# Altium PCB PCB_TEST.PcbDoc (part 2 of 6) (continued)
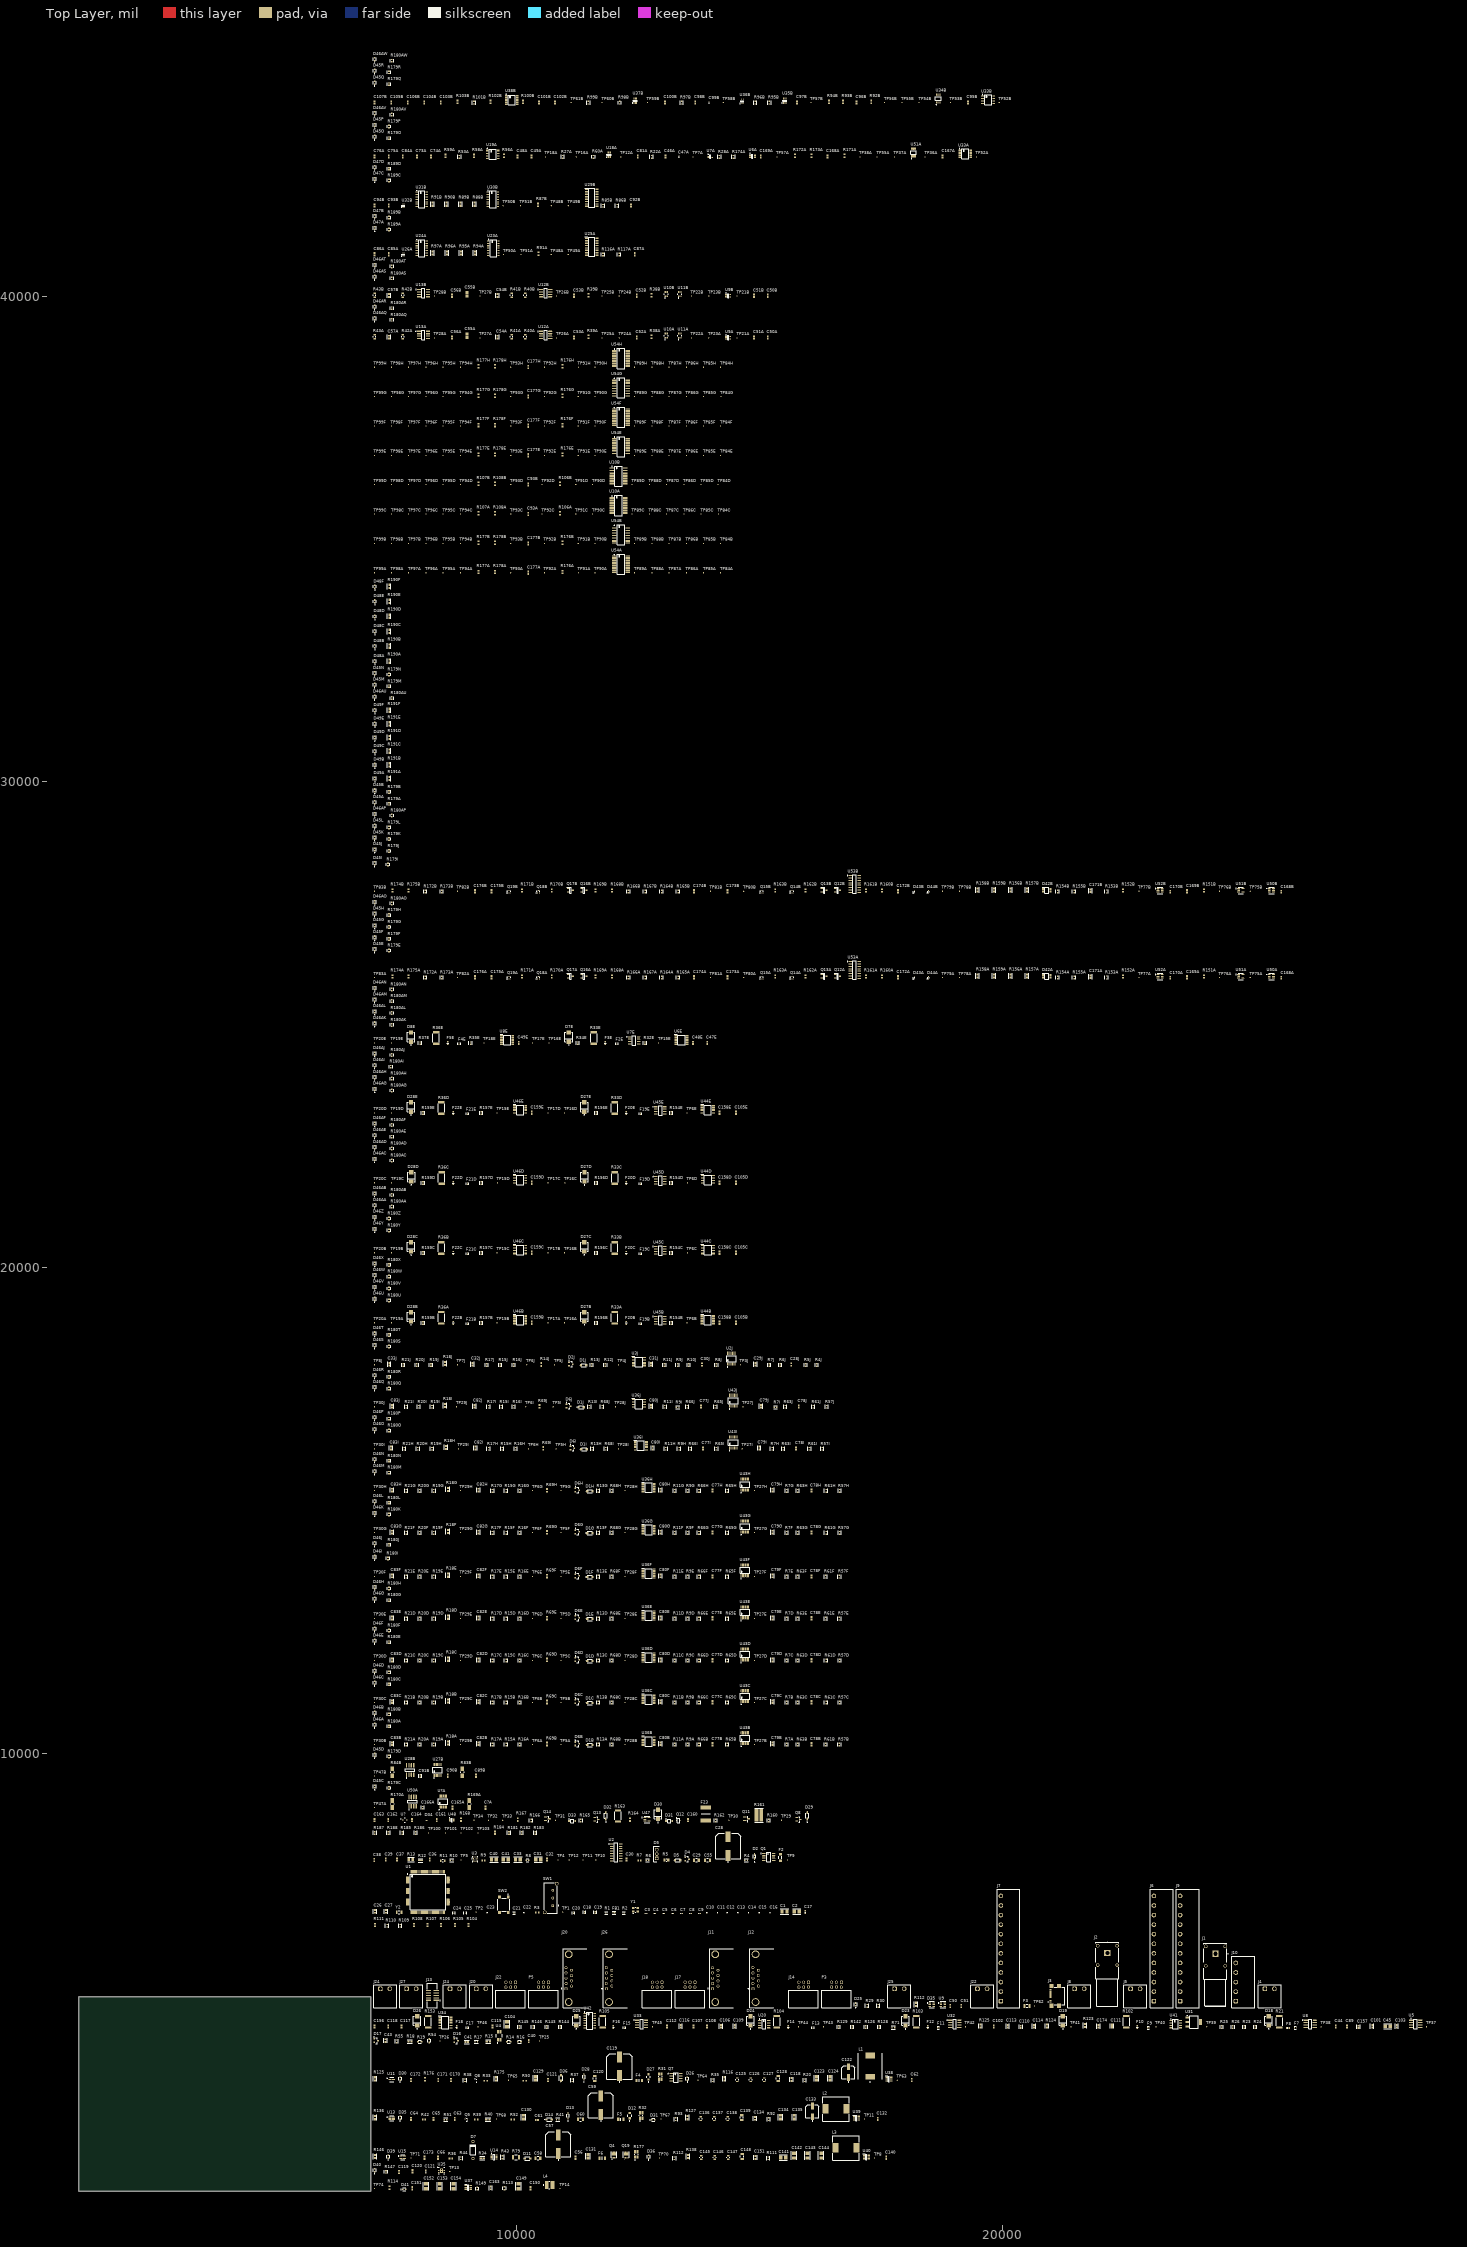
[diagram p0: Top Layer view]
## Components (designator, comment, footprint, x,y, rotation, side; value= is the part's Value field where it differs from the comment) (continued)
R6 "AC0603FR-7W100KL" FP-AC0603-IPC_C 12700,7805 r0 top value=100k (schematic designator R24)
R6J "RT0603BRD079K1L" FP-RT0603-IPC_C 15435,18000 r90 top value=9.1k (schematic designator R6)
R7 "Resistor 10k +/-1% 0603 100 mW" RESC1608X55X25ML10T15 12535,7805 r0 top value=10k (schematic designator R25)
R7A "RT0603BRE0710KL" FP-RT0603-IPC_C 15565,10190 r90 top value=10k (schematic designator R7)
R7B "RT0603BRE0710KL" FP-RT0603-IPC_C 15565,11055 r90 top value=10k (schematic designator R7)
R7C "RT0603BRE0710KL" FP-RT0603-IPC_C 15565,11920 r90 top value=10k (schematic designator R7)
R7D "RT0603BRE0710KL" FP-RT0603-IPC_C 15565,12780 r90 top value=10k (schematic designator R7)
R7E "RT0603BRE0710KL" FP-RT0603-IPC_C 15565,13645 r90 top value=10k (schematic designator R7)
R7F "RT0603BRE0710KL" FP-RT0603-IPC_C 15565,14545 r90 top value=10k (schematic designator R7)
R7G "RT0603BRE0710KL" FP-RT0603-IPC_C 15565,15410 r90 top value=10k (schematic designator R7)
R7H "RT0603BRE0710KL" FP-RT0603-IPC_C 15265,16275 r90 top value=10k (schematic designator R7)
R7I "RT0603BRE0710KL" FP-RT0603-IPC_C 15335,17130 r0 top value=10k (schematic designator R7)
R7J "RT0603BRE0710KL" FP-RT0603-IPC_C 15205,18000 r90 top value=10k (schematic designator R7)
R8 "CRCW060316K2FKEA" FP-CRCW0603-e3-IPC_C 10230,7805 r0 top value=16.2k (schematic designator R26)
R8J "RT0603BRD07180KL" FP-RT0603-IPC_C 14120,18000 r90 top value=180k (schematic designator R8)
R9 "Resistor 10k +/-1% 0603 100 mW" RESC1608X55X25ML10T15 9325,7805 r0 top value=10k (schematic designator R27)
R9A "RT0603BRE0710KL" FP-RT0603-IPC_C 13530,10190 r90 top value=10k (schematic designator R9)
R9B "RT0603BRE0710KL" FP-RT0603-IPC_C 13530,11055 r90 top value=10k (schematic designator R9)
R9C "RT0603BRE0710KL" FP-RT0603-IPC_C 13530,11920 r90 top value=10k (schematic designator R9)
R9D "RT0603BRE0710KL" FP-RT0603-IPC_C 13530,12780 r90 top value=10k (schematic designator R9)
R9E "RT0603BRE0710KL" FP-RT0603-IPC_C 13530,13645 r90 top value=10k (schematic designator R9)
R9F "RT0603BRE0710KL" FP-RT0603-IPC_C 13530,14545 r90 top value=10k (schematic designator R9)
R9G "RT0603BRE0710KL" FP-RT0603-IPC_C 13530,15410 r90 top value=10k (schematic designator R9)
R9H "RT0603BRE0710KL" FP-RT0603-IPC_C 13350,16275 r90 top value=10k (schematic designator R9)
R9I "RT0603BRE0710KL" FP-RT0603-IPC_C 13320,17130 r0 top value=10k (schematic designator R9)
R9J "RT0603BRE0710KL" FP-RT0603-IPC_C 13320,18000 r90 top value=10k (schematic designator R9)
R10 "AC0603FR-135K1L" FP-AC0603-IPC_C 8670,7805 r0 top value=5.1k (schematic designator R28)
R10J "RT0603BRD07180KL" FP-RT0603-IPC_C 13550,18000 r90 top value=180k (schematic designator R10)
R11 "RT0805BRD07150KL" FP-RT0805-MFG 8485,7800 r0 top value=150k (schematic designator R29)
R11A "RT0603BRE0710KL" FP-RT0603-IPC_C 13260,10190 r90 top value=10k (schematic designator R11)
R11B "RT0603BRE0710KL" FP-RT0603-IPC_C 13260,11055 r90 top value=10k (schematic designator R11)
R11C "RT0603BRE0710KL" FP-RT0603-IPC_C 13260,11920 r90 top value=10k (schematic designator R11)
R11D "RT0603BRE0710KL" FP-RT0603-IPC_C 13260,12780 r90 top value=10k (schematic designator R11)
R11E "RT0603BRE0710KL" FP-RT0603-IPC_C 13260,13645 r90 top value=10k (schematic designator R11)
R11F "RT0603BRE0710KL" FP-RT0603-IPC_C 13260,14545 r90 top value=10k (schematic designator R11)
R11G "RT0603BRE0710KL" FP-RT0603-IPC_C 13260,15410 r90 top value=10k (schematic designator R11)
R11H "RT0603BRE0710KL" FP-RT0603-IPC_C 13080,16275 r90 top value=10k (schematic designator R11)
R11I "RT0603BRE0710KL" FP-RT0603-IPC_C 13060,17140 r90 top value=10k (schematic designator R11)
R11J "RT0603BRE0710KL" FP-RT0603-IPC_C 13050,18000 r90 top value=10k (schematic designator R11)
R12 "RNCP0603FTD44K2" FP-RNCP0603-IPC_B 8030,7805 r0 top value=44.2k (schematic designator R30)
R12J "RT0603BRD0790K9L" FP-RT0603-IPC_C 11835,18000 r90 top value=90.9k (schematic designator R12)
R13 "RN73R2ATTD1002B25" FP-RN73R2A-IPC_A 7830,7820 r0 top value=10k (schematic designator R31)
R13A "RT0603BRE0710KL" FP-RT0603-IPC_C 11685,10190 r90 top value=10k (schematic designator R13)
R13B "RT0603BRE0710KL" FP-RT0603-IPC_C 11685,11055 r90 top value=10k (schematic designator R13)
R13C "RT0603BRE0710KL" FP-RT0603-IPC_C 11685,11920 r90 top value=10k (schematic designator R13)
R13D "RT0603BRE0710KL" FP-RT0603-IPC_C 11685,12780 r90 top value=10k (schematic designator R13)
R13E "RT0603BRE0710KL" FP-RT0603-IPC_C 11685,13645 r90 top value=10k (schematic designator R13)
R13F "RT0603BRE0710KL" FP-RT0603-IPC_C 11685,14545 r90 top value=10k (schematic designator R13)
R13G "RT0603BRE0710KL" FP-RT0603-IPC_C 11685,15410 r90 top value=10k (schematic designator R13)
R13H "RT0603BRE0710KL" FP-RT0603-IPC_C 11565,16275 r90 top value=10k (schematic designator R13)
R13I "RT0603BRE0710KL" FP-RT0603-IPC_C 11505,17140 r90 top value=10k (schematic designator R13)
R13J "RT0603BRE0710KL" FP-RT0603-IPC_C 11555,18000 r90 top value=10k (schematic designator R13)
R14 "CPF0603B100KE" FP-CPF0603-MFG 9845,4070 r0 top value=100k (schematic designator R53)
R14J "TNPW060339K2BEEA" RESC1609X55X30NL10T20 10515,18010 r90 top value=39.2k (schematic designator R14)
R15 "MCT0603MC1000FP500" FP-MCT0603-IPC_A 9425,4080 r0 top value=100 (schematic designator R55)
R15A "RT0603BRE0710KL" FP-RT0603-IPC_C 9790,10190 r90 top value=10k (schematic designator R15)
R15B "RT0603BRE0710KL" FP-RT0603-IPC_C 9790,11055 r90 top value=10k (schematic designator R15)
R15C "RT0603BRE0710KL" FP-RT0603-IPC_C 9790,11920 r90 top value=10k (schematic designator R15)
R15D "RT0603BRE0710KL" FP-RT0603-IPC_C 9790,12780 r90 top value=10k (schematic designator R15)
R15E "RT0603BRE0710KL" FP-RT0603-IPC_C 9790,13645 r90 top value=10k (schematic designator R15)
R15F "RT0603BRE0710KL" FP-RT0603-IPC_C 9790,14545 r90 top value=10k (schematic designator R15)
R15G "RT0603BRE0710KL" FP-RT0603-IPC_C 9790,15410 r90 top value=10k (schematic designator R15)
R15H "RT0603BRE0710KL" FP-RT0603-IPC_C 9710,16275 r90 top value=10k (schematic designator R15)
R15I "RT0603BRE0710KL" FP-RT0603-IPC_C 9690,17140 r90 top value=10k (schematic designator R15)
R15J "RT0603BRE0710KL" FP-RT0603-IPC_C 9670,18000 r90 top value=10k (schematic designator R15)
R16 "CPF0603B100KE" FP-CPF0603-MFG 10065,4070 r0 top value=100k (schematic designator R54)
R16A "RT0603BRD07200KL" FP-RT0603-IPC_C 10070,10190 r90 top value=200k (schematic designator R16)
R16B "RT0603BRD07200KL" FP-RT0603-IPC_C 10070,11055 r90 top value=200k (schematic designator R16)
R16C "RT0603BRD07200KL" FP-RT0603-IPC_C 10070,11920 r90 top value=200k (schematic designator R16)
R16D "RT0603BRD07200KL" FP-RT0603-IPC_C 10070,12780 r90 top value=200k (schematic designator R16)
R16E "RT0603BRD07200KL" FP-RT0603-IPC_C 10070,13645 r90 top value=200k (schematic designator R16)
R16F "RT0603BRD07200KL" FP-RT0603-IPC_C 10070,14545 r90 top value=200k (schematic designator R16)
R16G "RT0603BRD07200KL" FP-RT0603-IPC_C 10070,15410 r90 top value=200k (schematic designator R16)
R16H "RT0603BRD07200KL" FP-RT0603-IPC_C 9990,16275 r90 top value=200k (schematic designator R16)
R16I "RT0603BRD07200KL" FP-RT0603-IPC_C 9950,17140 r90 top value=200k (schematic designator R16)
R16J "RT0603BRD07200KL" FP-RT0603-IPC_C 9950,18000 r90 top value=200k (schematic designator R16)
R17 "RT0603BRD0711K8L" FP-RT0603-IPC_C 9175,4070 r0 top value=11.8k (schematic designator R56)
R17A "RT0603BRE0710KL" FP-RT0603-IPC_C 9510,10190 r90 top value=10k (schematic designator R17)
R17B "RT0603BRE0710KL" FP-RT0603-IPC_C 9510,11055 r90 top value=10k (schematic designator R17)
R17C "RT0603BRE0710KL" FP-RT0603-IPC_C 9510,11920 r90 top value=10k (schematic designator R17)
R17D "RT0603BRE0710KL" FP-RT0603-IPC_C 9510,12780 r90 top value=10k (schematic designator R17)
R17E "RT0603BRE0710KL" FP-RT0603-IPC_C 9510,13645 r90 top value=10k (schematic designator R17)
R17F "RT0603BRE0710KL" FP-RT0603-IPC_C 9510,14545 r90 top value=10k (schematic designator R17)
R17G "RT0603BRE0710KL" FP-RT0603-IPC_C 9510,15410 r90 top value=10k (schematic designator R17)
R17H "RT0603BRE0710KL" FP-RT0603-IPC_C 9430,16275 r90 top value=10k (schematic designator R17)
R17I "RT0603BRE0710KL" FP-RT0603-IPC_C 9430,17140 r90 top value=10k (schematic designator R17)
R17J "RT0603BRE0710KL" FP-RT0603-IPC_C 9390,18000 r90 top value=10k (schematic designator R17)
R18 "MCT0603MC1000FP500" FP-MCT0603-IPC_A 7810,4080 r0 top value=100 (schematic designator R59)
R18A "TNPW060324K0BEEA" FP-TNPW0603-e3-IPC_A 8590,10220 r90 top value=24k (schematic designator R18)
R18B "TNPW060324K0BEEA" FP-TNPW0603-e3-IPC_A 8590,11085 r90 top value=24k (schematic designator R18)
R18C "TNPW060324K0BEEA" FP-TNPW0603-e3-IPC_A 8590,11945 r90 top value=24k (schematic designator R18)
R18D "TNPW060324K0BEEA" FP-TNPW0603-e3-IPC_A 8590,12810 r90 top value=24k (schematic designator R18)
R18E "TNPW060324K0BEEA" FP-TNPW0603-e3-IPC_A 8590,13675 r90 top value=24k (schematic designator R18)
R18F "TNPW060324K0BEEA" FP-TNPW0603-e3-IPC_A 8590,14575 r90 top value=24k (schematic designator R18)
R18G "TNPW060324K0BEEA" FP-TNPW0603-e3-IPC_A 8590,15440 r90 top value=24k (schematic designator R18)
R18H "TNPW060324K0BEEA" FP-TNPW0603-e3-IPC_A 8550,16305 r90 top value=24k (schematic designator R18)
R18I "TNPW060324K0BEEA" FP-TNPW0603-e3-IPC_A 8530,17165 r90 top value=24k (schematic designator R18)
R18J "TNPW060324K0BEEA" FP-TNPW0603-e3-IPC_A 8530,18030 r90 top value=24k (schematic designator R18)
R19 "CPF0603B100KE" FP-CPF0603-MFG 8015,4070 r0 top value=100k (schematic designator R57)
R19A "RT0603BRE0710KL" FP-RT0603-IPC_C 8305,10190 r90 top value=10k (schematic designator R19)
R19B "RT0603BRE0710KL" FP-RT0603-IPC_C 8305,11055 r90 top value=10k (schematic designator R19)
R19C "RT0603BRE0710KL" FP-RT0603-IPC_C 8305,11920 r90 top value=10k (schematic designator R19)
R19D "RT0603BRE0710KL" FP-RT0603-IPC_C 8305,12780 r90 top value=10k (schematic designator R19)
R19E "RT0603BRE0710KL" FP-RT0603-IPC_C 8305,13645 r90 top value=10k (schematic designator R19)
R19F "RT0603BRE0710KL" FP-RT0603-IPC_C 8305,14545 r90 top value=10k (schematic designator R19)
R19G "RT0603BRE0710KL" FP-RT0603-IPC_C 8305,15410 r90 top value=10k (schematic designator R19)
R19H "RT0603BRE0710KL" FP-RT0603-IPC_C 8265,16275 r90 top value=10k (schematic designator R19)
R19I "RT0603BRE0710KL" FP-RT0603-IPC_C 8265,17140 r90 top value=10k (schematic designator R19)
R19J "RT0603BRE0710KL" FP-RT0603-IPC_C 8245,18000 r90 top value=10k (schematic designator R19)
R20 "AC0603FR-7W100KL" FP-AC0603-IPC_C 15935,3280 r90 top value=100k (schematic designator R115)
R20A "RT0603BRD07160KL" FP-RT0603-IPC_C 8015,10190 r90 top value=160k (schematic designator R20)
R20B "RT0603BRD07160KL" FP-RT0603-IPC_C 8015,11055 r90 top value=160k (schematic designator R20)
R20C "RT0603BRD07160KL" FP-RT0603-IPC_C 8015,11920 r90 top value=160k (schematic designator R20)
R20D "RT0603BRD07160KL" FP-RT0603-IPC_C 8015,12780 r90 top value=160k (schematic designator R20)
R20E "RT0603BRD07160KL" FP-RT0603-IPC_C 8015,13645 r90 top value=160k (schematic designator R20)
R20F "RT0603BRD07160KL" FP-RT0603-IPC_C 8015,14545 r90 top value=160k (schematic designator R20)
R20G "RT0603BRD07160KL" FP-RT0603-IPC_C 8015,15410 r90 top value=160k (schematic designator R20)
R20H "RT0603BRD07160KL" FP-RT0603-IPC_C 7975,16275 r90 top value=160k (schematic designator R20)
R20I "RT0603BRD07160KL" FP-RT0603-IPC_C 7995,17140 r90 top value=160k (schematic designator R20)
R20J "RT0603BRD07160KL" FP-RT0603-IPC_C 7955,18000 r90 top value=160k (schematic designator R20)
R21 "CRGCQ2512F10R" FP-CRGCQ2512-IPC_B 25705,4485 r90 top value=10 (schematic designator R61)
R21A "RT0603BRE0710KL" FP-RT0603-IPC_C 7735,10190 r90 top value=10k (schematic designator R21)
R21B "RT0603BRE0710KL" FP-RT0603-IPC_C 7735,11055 r90 top value=10k (schematic designator R21)
R21C "RT0603BRE0710KL" FP-RT0603-IPC_C 7735,11920 r90 top value=10k (schematic designator R21)
R21D "RT0603BRE0710KL" FP-RT0603-IPC_C 7735,12780 r90 top value=10k (schematic designator R21)
R21E "RT0603BRE0710KL" FP-RT0603-IPC_C 7735,13645 r90 top value=10k (schematic designator R21)
R21F "RT0603BRE0710KL" FP-RT0603-IPC_C 7735,14545 r90 top value=10k (schematic designator R21)
R21G "RT0603BRE0710KL" FP-RT0603-IPC_C 7735,15410 r90 top value=10k (schematic designator R21)
R21H "RT0603BRE0710KL" FP-RT0603-IPC_C 7695,16275 r90 top value=10k (schematic designator R21)
R21I "RT0603BRE0710KL" FP-RT0603-IPC_C 7735,17140 r90 top value=10k (schematic designator R21)
R21J "RT0603BRE0710KL" FP-RT0603-IPC_C 7675,18000 r90 top value=10k (schematic designator R21)
R22A "AC0603FR-0733RL" FP-AC0603-IPC_C 12785,42865 r90 top value=33 (schematic designator R97)
R23 "RT0603BRE0730KL" FP-RT0603-IPC_C 24980,4375 r90 top value=30k (schematic designator R62)
R24 "RT0603BRE0730KL" FP-RT0603-IPC_C 25210,4375 r90 top value=30k (schematic designator R63)
R25 "RT0603BRE0710KL" FP-RT0603-IPC_C 24520,4375 r90 top value=10k (schematic designator R64)
R26 "RT0603BRE0710KL" FP-RT0603-IPC_C 24750,4375 r90 top value=10k (schematic designator R65)
R27A "AC0603FR-0733RL" FP-AC0603-IPC_C 10955,42865 r90 top value=33 (schematic designator R99)
R28A "AC0603FR-0733RL" FP-AC0603-IPC_C 14180,42865 r90 top value=33 (schematic designator R96)
R29 "AC0603FR-135K1L" FP-AC0603-IPC_C 17220,4810 r90 top value=5.1k (schematic designator R113)
R30 "AC0603FR-135K1L" FP-AC0603-IPC_C 17450,4810 r90 top value=5.1k (schematic designator R114)
R31 "L4T12FR020DER" FP-L4T12-MFG 12965,3355 r90 top value=20m (schematic designator R118)
R32 "L4T12FR020DER" FP-L4T12-MFG 12570,2555 r90 top value=20m (schematic designator R129)
R32E "10k" FP-MCT0603-IPC_C 12650,24625 r90 top (schematic designator R32)
R33 "Resistor 10k +/-1% 0603 100 mW" RESC1608X55X25ML10T15 9370,3270 r0 top value=10k (schematic designator R121)
R33A "CRGCQ2512F10R" FP-CRGCQ2512-IPC_B 12025,18970 r90 top value=10 (schematic designator R33)
R33B "CRGCQ2512F10R" FP-CRGCQ2512-IPC_B 12025,20410 r90 top value=10 (schematic designator R33)
R33C "CRGCQ2512F10R" FP-CRGCQ2512-IPC_B 12030,21850 r90 top value=10 (schematic designator R33)
R33D "CRGCQ2512F10R" FP-CRGCQ2512-IPC_B 12025,23290 r90 top value=10 (schematic designator R33)
R33E "CRGCQ2512F10R" FP-CRGCQ2512-IPC_B 11595,24730 r90 top value=10 (schematic designator R33)
R34 "CRGCQ0603F150K" FP-CRGCQ0603-IPC_A 9300,1675 r0 top value=150k (schematic designator R143)
R34E "10k" FP-MCT0603-IPC_C 11265,24625 r90 top (schematic designator R34)
R35 "AC0603FR-073K48L" FP-AC0603-IPC_C 14045,3280 r90 top value=3.48k (schematic designator R117)
R35E "10k" FP-MCT0603-IPC_C 9060,24625 r90 top (schematic designator R35)
R36 "Resistor 10k +/-1% 0603 100 mW" RESC1608X55X25ML10T15 8655,1670 r0 top value=10k (schematic designator R145)
R36A "CRGCQ2512F10R" FP-CRGCQ2512-IPC_B 8460,18970 r90 top value=10 (schematic designator R36)
R36B "CRGCQ2512F10R" FP-CRGCQ2512-IPC_B 8460,20410 r90 top value=10 (schematic designator R36)
R36C "CRGCQ2512F10R" FP-CRGCQ2512-IPC_B 8465,21850 r90 top value=10 (schematic designator R36)
R36D "CRGCQ2512F10R" FP-CRGCQ2512-IPC_B 8460,23290 r90 top value=10 (schematic designator R36)
R36E "CRGCQ2512F10R" FP-CRGCQ2512-IPC_B 8350,24730 r90 top value=10 (schematic designator R36)
R37 "AC0603FR-7W100KL" FP-AC0603-IPC_C 11150,3280 r90 top value=100k (schematic designator R119)
R37E "10k" FP-MCT0603-IPC_C 8020,24625 r90 top (schematic designator R37)
R38 "AC0603FR-7W100KL" FP-AC0603-IPC_C 8945,3280 r90 top value=100k (schematic designator R123)
R38A "Resistor 10k +/-1% 0603 100 mW" RESC1608X55X25ML10T15 12780,39160 r90 top value=10k (schematic designator R38)
R38B "Resistor 10k +/-1% 0603 100 mW" RESC1608X55X25ML10T15 12780,40015 r90 top value=10k (schematic designator R38)
R39 "Resistor 10k +/-1% 0603 100 mW" RESC1608X55X25ML10T15 9175,2470 r0 top value=10k (schematic designator R132)
R39A "Resistor 10k +/-1% 0603 100 mW" RESC1608X55X25ML10T15 11490,39160 r90 top value=10k (schematic designator R39)
R39B "Resistor 10k +/-1% 0603 100 mW" RESC1608X55X25ML10T15 11490,40015 r90 top value=10k (schematic designator R39)
R40 "CRGCQ0603F150K" FP-CRGCQ0603-IPC_A 9415,2475 r0 top value=150k (schematic designator R133)
R40A "RT0805BRD0710KL" FP-RT0805-MFG 10185,39160 r90 top value=10k (schematic designator R40)
R40B "RT0805BRD0710KL" FP-RT0805-MFG 10185,40015 r90 top value=10k (schematic designator R40)
R41 "AC0603FR-7W100KL" FP-AC0603-IPC_C 10855,2470 r0 top value=100k (schematic designator R130)
R41A "RT0805BRD0710KL" FP-RT0805-MFG 9905,39160 r90 top value=10k (schematic designator R41)
R41B "RT0805BRD0710KL" FP-RT0805-MFG 9905,40015 r90 top value=10k (schematic designator R41)
R42 "Resistor 10k +/-1% 0603 100 mW" RESC1608X55X25ML10T15 8100,2470 r0 top value=10k (schematic designator R135)
R42A "RT0805BRD0710KL" FP-RT0805-MFG 7665,39160 r90 top value=10k (schematic designator R42)
R42B "RT0805BRD0710KL" FP-RT0805-MFG 7665,40015 r90 top value=10k (schematic designator R42)
R43 "RN73R1JTTD1004B25" FP-RN73R1J-IPC_B 9715,1695 r90 top value=1M (schematic designator R142)
R43A "RT0805BRD071K5L" FP-RT0805-MFG 7085,39160 r90 top value=1.5k (schematic designator R43)
R43B "RT0805BRD071K5L" FP-RT0805-MFG 7085,40015 r90 top value=1.5k (schematic designator R43)
R44 "RT0603BRE07100KL" FP-RT0603-IPC_C 8860,1675 r90 top value=100k (schematic designator R144)
R50 "Resistor 10k +/-1% 0603 100 mW" RESC1608X55X25ML10T15 10175,3270 r0 top value=10k (schematic designator R120)
R51 "AC0603FR-7W100KL" FP-AC0603-IPC_C 8545,2470 r0 top value=100k (schematic designator R134)
R52 "Resistor 10k +/-1% 0603 100 mW" RESC1608X55X25ML10T15 9930,2470 r0 top value=10k (schematic designator R131)
R53A "AC0603FR-10100RL" FP-AC0603-IPC_C 8830,42865 r90 top value=100 (schematic designator R101)
R54 "CPF0603B100KE" FP-CPF0603-MFG 8210,4095 r90 top value=100k (schematic designator R58)
R55 "RT0603BRD0711K8L" FP-RT0603-IPC_C 7540,4080 r90 top value=11.8k (schematic designator R60)
R56A "Resistor 10k +/-1% 0603 100 mW" RESC1608X55X25ML10T15 9745,42885 r90 top value=10k (schematic designator R100)
R57B "RT0603BRE07300KL" FP-RT0603-IPC_C 16650,10190 r90 top value=300k (schematic designator R4)
R57C "RT0603BRE07300KL" FP-RT0603-IPC_C 16655,11055 r90 top value=300k (schematic designator R4)
R57D "RT0603BRE07300KL" FP-RT0603-IPC_C 16655,11920 r90 top value=300k (schematic designator R4)
R57E "RT0603BRE07300KL" FP-RT0603-IPC_C 16650,12780 r90 top value=300k (schematic designator R4)
R57F "RT0603BRE07300KL" FP-RT0603-IPC_C 16650,13645 r90 top value=300k (schematic designator R4)
R57G "RT0603BRE07300KL" FP-RT0603-IPC_C 16655,14545 r90 top value=300k (schematic designator R4)
R57H "RT0603BRE07300KL" FP-RT0603-IPC_C 16655,15410 r90 top value=300k (schematic designator R4)
R57I "RT0603BRE07300KL" FP-RT0603-IPC_C 16295,16275 r90 top value=300k (schematic designator R4)
R57J "RT0603BRE07300KL" FP-RT0603-IPC_C 16390,17140 r90 top value=300k (schematic designator R4)
R58A "Resistor 22R +/-1% 0603 100 mW" RESC1609X50X30ML08T20 9125,42885 r90 top value=22 (schematic designator R102)
R59A "Resistor 22R +/-1% 0603 100 mW" RESC1609X50X30ML08T20 8545,42885 r90 top value=22 (schematic designator R103)
R60A "RMCF0603JG330R" FP-RMCF0603-MFG 11590,42865 r90 top value=330 (schematic designator R98)
R61B "RT0603BRD07240KL" FP-RT0603-IPC_C 16370,10190 r90 top value=240k (schematic designator R5)
R61C "RT0603BRD07240KL" FP-RT0603-IPC_C 16375,11055 r90 top value=240k (schematic designator R5)
R61D "RT0603BRD07240KL" FP-RT0603-IPC_C 16375,11920 r90 top value=240k (schematic designator R5)
R61E "RT0603BRD07240KL" FP-RT0603-IPC_C 16370,12780 r90 top value=240k (schematic designator R5)
R61F "RT0603BRD07240KL" FP-RT0603-IPC_C 16370,13645 r90 top value=240k (schematic designator R5)
R61G "RT0603BRD07240KL" FP-RT0603-IPC_C 16375,14545 r90 top value=240k (schematic designator R5)
R61H "RT0603BRD07240KL" FP-RT0603-IPC_C 16375,15410 r90 top value=240k (schematic designator R5)
R61I "RT0603BRD07240KL" FP-RT0603-IPC_C 16035,16275 r90 top value=240k (schematic designator R5)
R61J "RT0603BRD07240KL" FP-RT0603-IPC_C 16110,17140 r90 top value=240k (schematic designator R5)
R63B "RT0603BRD079K1L" FP-RT0603-IPC_C 15795,10190 r90 top value=9.1k (schematic designator R6)
R63C "RT0603BRD079K1L" FP-RT0603-IPC_C 15795,11055 r90 top value=9.1k (schematic designator R6)
R63D "RT0603BRD079K1L" FP-RT0603-IPC_C 15795,11920 r90 top value=9.1k (schematic designator R6)
R63E "RT0603BRD079K1L" FP-RT0603-IPC_C 15795,12780 r90 top value=9.1k (schematic designator R6)
R63F "RT0603BRD079K1L" FP-RT0603-IPC_C 15795,13645 r90 top value=9.1k (schematic designator R6)
R63G "RT0603BRD079K1L" FP-RT0603-IPC_C 15795,14545 r90 top value=9.1k (schematic designator R6)
R63H "RT0603BRD079K1L" FP-RT0603-IPC_C 15795,15410 r90 top value=9.1k (schematic designator R6)
R63I "RT0603BRD079K1L" FP-RT0603-IPC_C 15495,16275 r90 top value=9.1k (schematic designator R6)
R63J "RT0603BRD079K1L" FP-RT0603-IPC_C 15535,17140 r90 top value=9.1k (schematic designator R6)
R65B "RT0603BRD07180KL" FP-RT0603-IPC_C 14340,10190 r90 top value=180k (schematic designator R8)
R65C "RT0603BRD07180KL" FP-RT0603-IPC_C 14340,11055 r90 top value=180k (schematic designator R8)
R65D "RT0603BRD07180KL" FP-RT0603-IPC_C 14340,11920 r90 top value=180k (schematic designator R8)
R65E "RT0603BRD07180KL" FP-RT0603-IPC_C 14340,12780 r90 top value=180k (schematic designator R8)
R65F "RT0603BRD07180KL" FP-RT0603-IPC_C 14340,13645 r90 top value=180k (schematic designator R8)
R65G "RT0603BRD07180KL" FP-RT0603-IPC_C 14340,14545 r90 top value=180k (schematic designator R8)
R65H "RT0603BRD07180KL" FP-RT0603-IPC_C 14340,15410 r90 top value=180k (schematic designator R8)
R65I "RT0603BRD07180KL" FP-RT0603-IPC_C 14120,16275 r90 top value=180k (schematic designator R8)
R65J "RT0603BRD07180KL" FP-RT0603-IPC_C 14100,17140 r90 top value=180k (schematic designator R8)
R66B "RT0603BRD07180KL" FP-RT0603-IPC_C 13760,10190 r90 top value=180k (schematic designator R10)
R66C "RT0603BRD07180KL" FP-RT0603-IPC_C 13760,11055 r90 top value=180k (schematic designator R10)
R66D "RT0603BRD07180KL" FP-RT0603-IPC_C 13760,11920 r90 top value=180k (schematic designator R10)
R66E "RT0603BRD07180KL" FP-RT0603-IPC_C 13760,12780 r90 top value=180k (schematic designator R10)
R66F "RT0603BRD07180KL" FP-RT0603-IPC_C 13760,13645 r90 top value=180k (schematic designator R10)
R66G "RT0603BRD07180KL" FP-RT0603-IPC_C 13760,14545 r90 top value=180k (schematic designator R10)
R66H "RT0603BRD07180KL" FP-RT0603-IPC_C 13760,15410 r90 top value=180k (schematic designator R10)
R66I "RT0603BRD07180KL" FP-RT0603-IPC_C 13580,16275 r90 top value=180k (schematic designator R10)
R66J "RT0603BRD07180KL" FP-RT0603-IPC_C 13520,17140 r90 top value=180k (schematic designator R10)
R68B "RT0603BRD0790K9L" FP-RT0603-IPC_C 11965,10190 r90 top value=90.9k (schematic designator R12)
R68C "RT0603BRD0790K9L" FP-RT0603-IPC_C 11965,11055 r90 top value=90.9k (schematic designator R12)
R68D "RT0603BRD0790K9L" FP-RT0603-IPC_C 11965,11920 r90 top value=90.9k (schematic designator R12)
R68E "RT0603BRD0790K9L" FP-RT0603-IPC_C 11965,12780 r90 top value=90.9k (schematic designator R12)
R68F "RT0603BRD0790K9L" FP-RT0603-IPC_C 11965,13645 r90 top value=90.9k (schematic designator R12)
R68G "RT0603BRD0790K9L" FP-RT0603-IPC_C 11965,14545 r90 top value=90.9k (schematic designator R12)
R68H "RT0603BRD0790K9L" FP-RT0603-IPC_C 11965,15410 r90 top value=90.9k (schematic designator R12)
R68I "RT0603BRD0790K9L" FP-RT0603-IPC_C 11845,16275 r90 top value=90.9k (schematic designator R12)
R68J "RT0603BRD0790K9L" FP-RT0603-IPC_C 11765,17140 r90 top value=90.9k (schematic designator R12)
R69B "TNPW060339K2BEEA" RESC1609X55X30NL10T20 10635,10200 r90 top value=39.2k (schematic designator R14)
R69C "TNPW060339K2BEEA" RESC1609X55X30NL10T20 10635,11065 r90 top value=39.2k (schematic designator R14)
R69D "TNPW060339K2BEEA" RESC1609X55X30NL10T20 10635,11930 r90 top value=39.2k (schematic designator R14)
R69E "TNPW060339K2BEEA" RESC1609X55X30NL10T20 10635,12790 r90 top value=39.2k (schematic designator R14)
R69F "TNPW060339K2BEEA" RESC1609X55X30NL10T20 10635,13655 r90 top value=39.2k (schematic designator R14)
R69G "TNPW060339K2BEEA" RESC1609X55X30NL10T20 10635,14555 r90 top value=39.2k (schematic designator R14)
R69H "TNPW060339K2BEEA" RESC1609X55X30NL10T20 10635,15420 r90 top value=39.2k (schematic designator R14)
R69I "TNPW060339K2BEEA" RESC1609X55X30NL10T20 10555,16285 r90 top value=39.2k (schematic designator R14)
R69J "TNPW060339K2BEEA" RESC1609X55X30NL10T20 10475,17150 r90 top value=39.2k (schematic designator R14)
R71 "RT0603BRD07200KL" FP-RT0603-IPC_C 17760,4365 r0 top value=200k
R79 "RK73H2ERTTD1001F" FP-RK73H2E-MFG 9995,1695 r0 top value=1k (schematic designator R141)
R83B "60" FP-MCS1632-MFG 8890,9620 r90 top value=50mΩ (schematic designator R83)
R84B "60" FP-MCS1632-MFG 7450,9620 r90 top value=50mΩ (schematic designator R84)
R85B "AC0603FR-7W100KL" FP-AC0603-IPC_C 11785,41860 r90 top value=100k (schematic designator R85)
R86B "AC0603FR-7W100KL" FP-AC0603-IPC_C 12075,41860 r90 top value=100k (schematic designator R86)
R87B "Resistor 10k +/-1% 0603 100 mW" RESC1608X55X25ML10T15 10445,41875 r90 top value=10k (schematic designator R87)
R88B "CRGCQ0603F33R" FP-CRGCQ0603-IPC_A 9140,41890 r90 top value=33 (schematic designator R88)
R89B "CRGCQ0603F33R" FP-CRGCQ0603-IPC_A 8850,41890 r90 top value=33 (schematic designator R89)
R90B "CRGCQ0603F33R" FP-CRGCQ0603-IPC_A 8560,41890 r90 top value=33 (schematic designator R90)
R91A "Resistor 10k +/-1% 0603 100 mW" RESC1608X55X25ML10T15 10455,40870 r90 top value=10k (schematic designator R87)
R91B "CRGCQ0603F33R" FP-CRGCQ0603-IPC_A 8280,41890 r90 top value=33 (schematic designator R91)
R92 "AC0603FR-0748K7L" FP-AC0603-IPC_C 15195,2480 r90 top value=48.7k (schematic designator R126)
R92B "Resistor 10k +/-1% 0603 100 mW" RESC1608X55X25ML10T15 17305,43995 r90 top value=10k (schematic designator R92)
R93 "AC0603FR-073K48L" FP-AC0603-IPC_C 13285,2480 r90 top value=3.48k (schematic designator R128)
R93B "Resistor 10k +/-1% 0603 100 mW" RESC1608X55X25ML10T15 16725,43995 r90 top value=10k (schematic designator R93)
R94A "CRGCQ0603F33R" FP-CRGCQ0603-IPC_A 9150,40885 r90 top value=33 (schematic designator R88)
R94B "Resistor 10k +/-1% 0603 100 mW" RESC1608X55X25ML10T15 16435,43995 r90 top value=10k (schematic designator R94)
R95A "CRGCQ0603F33R" FP-CRGCQ0603-IPC_A 8860,40885 r90 top value=33 (schematic designator R89)
R95B "AC0603FR-7W100KL" FP-AC0603-IPC_C 15210,43980 r90 top value=100k (schematic designator R95)
R96A "CRGCQ0603F33R" FP-CRGCQ0603-IPC_A 8570,40885 r90 top value=33 (schematic designator R90)
R96B "AC0603FR-0733RL" FP-AC0603-IPC_C 14920,43980 r90 top value=33 (schematic designator R96)
R97A "CRGCQ0603F33R" FP-CRGCQ0603-IPC_A 8280,40885 r90 top value=33 (schematic designator R91)
R97B "AC0603FR-0733RL" FP-AC0603-IPC_C 13405,43980 r90 top value=33 (schematic designator R97)
R98B "RMCF0603JG330R" FP-RMCF0603-MFG 12130,43980 r90 top value=330 (schematic designator R98)
R99B "AC0603FR-0733RL" FP-AC0603-IPC_C 11485,43980 r90 top value=33 (schematic designator R99)
R100B "Resistor 10k +/-1% 0603 100 mW" RESC1608X55X25ML10T15 10135,43995 r90 top value=10k (schematic designator R100)
R101B "AC0603FR-10100RL" FP-AC0603-IPC_C 9130,43980 r90 top value=100 (schematic designator R101)
R102 "CRGCQ2512F10R" FP-CRGCQ2512-IPC_B 22555,4485 r90 top value=10 (schematic designator R66)
R102B "Resistor 22R +/-1% 0603 100 mW" RESC1609X50X30ML08T20 9465,43995 r90 top value=22 (schematic designator R102)
R103 "CRGCQ2512F10R" FP-CRGCQ2512-IPC_B 18235,4485 r90 top value=10 (schematic designator R70)
R103B "Resistor 22R +/-1% 0603 100 mW" RESC1609X50X30ML08T20 8795,43995 r90 top value=22 (schematic designator R103)
R104 "Resistor 22R +/-1% 0603 100 mW" RESC1609X50X30ML08T20 9015,6475 r90 top value=22
R104 "CRGCQ2512F10R" FP-CRGCQ2512-IPC_B 15365,4485 r90 top value=10 (schematic designator R76)
R105 "CRGCQ2512F10R" FP-CRGCQ2512-IPC_B 11775,4485 r90 top value=10 (schematic designator R77)
R105 "Resistor 22R +/-1% 0603 100 mW" RESC1609X50X30ML08T20 8735,6475 r90 top value=22
R106 "Resistor 22R +/-1% 0603 100 mW" RESC1609X50X30ML08T20 8455,6475 r90 top value=22
R106A "Resistor 10k +/-1% 0603 100 mW" RESC1608X55X25ML10T15 10900,35530 r90 top value=10k (schematic designator R176)